# Altium PCB WhiteRHINO_0v1.PcbDoc (part 8 of 10)
Units mm, origin at the board's own origin, x right, y up, seen from the top; angles counter-clockwise.
Board outline 120.2 x 121.5 mm, 12 copper layers (L1_Top Layer, L2_GND, L3_Critical, L4_Critical, L5_GND, L6_Power, L7_Non-Critical, L8_Power, L9_Critical, L10_Critical, L11_GND, L12_Bottom Layer), stack 1.414 mm thick; 837 components, 556 nets, 3237 pads, 1790 vias.
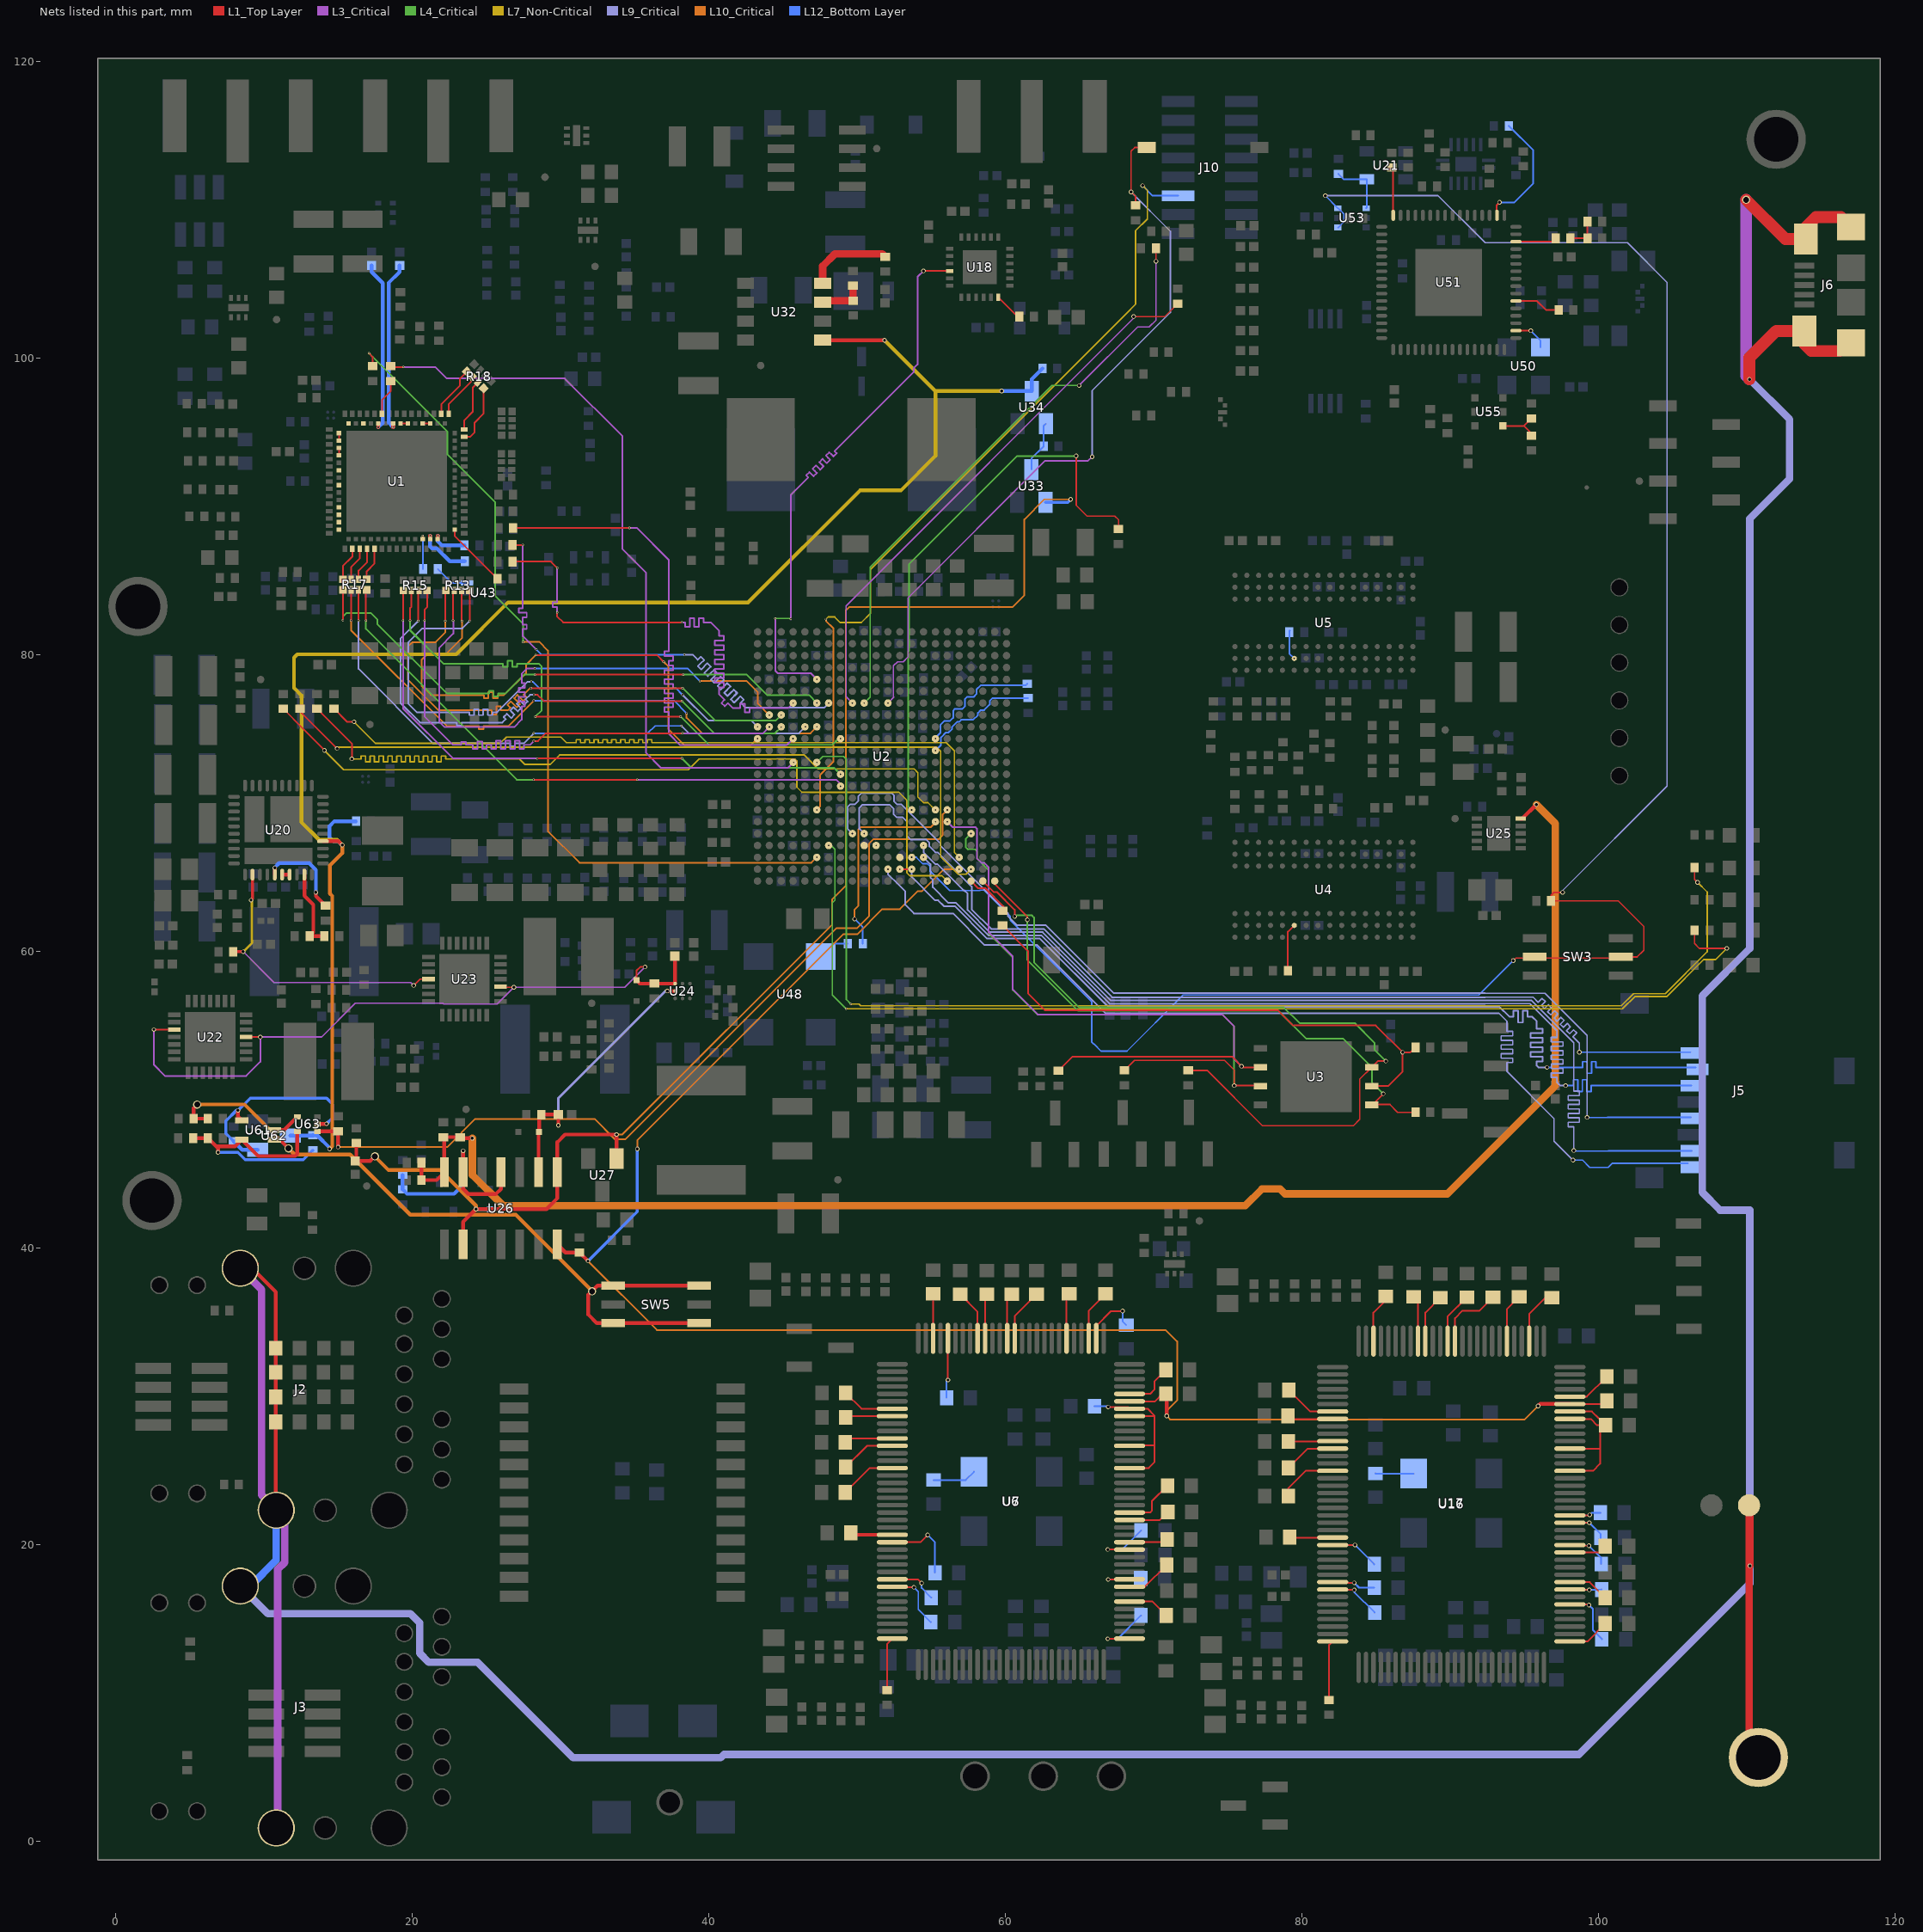
[diagram p18: the nets of this part, all layers, seen from the top]

## Via types
v1: diameter 0.15, hole 0.1, L1_Top Layer to L12_Bottom Layer, tented both sides, 705 vias
v2: diameter 0.3, hole 0.2, L1_Top Layer to L12_Bottom Layer, tented both sides, 589 vias
v3: diameter 0.3, hole 0.2, L1_Top Layer to L12_Bottom Layer, 145 vias
v4: diameter 0.55, hole 0.4, L1_Top Layer to L12_Bottom Layer, tented both sides, 89 vias
v5: diameter 0.15, hole 0.1, L1_Top Layer to L12_Bottom Layer, 73 vias
v6: diameter 0.4, hole 0.2, L1_Top Layer to L12_Bottom Layer, tented both sides, 61 vias
v7: diameter 0.66, hole 0.33, L1_Top Layer to L12_Bottom Layer, tented top, 41 vias
v8: diameter 0.3, hole 0.2, L1_Top Layer to L12_Bottom Layer, tented bottom, 27 vias
v9: diameter 0.55, hole 0.4, L1_Top Layer to L12_Bottom Layer, 20 vias
v10: diameter 0.5, hole 0.2, L1_Top Layer to L12_Bottom Layer, tented both sides, 16 vias
v11: diameter 0.5, hole 0.25, L1_Top Layer to L12_Bottom Layer, 13 vias
v12: diameter 0.4, hole 0.25, L1_Top Layer to L12_Bottom Layer, 9 vias
v13: diameter 0.5, hole 0.4, L1_Top Layer to L12_Bottom Layer, tented both sides, 1 vias
v14: diameter 0.55, hole 0.4, L1_Top Layer to L12_Bottom Layer, tented bottom, 1 vias

## Nets (pads, with @x,y where several pads share a name; then routed paths per layer and width w, separated by ;. In a path a pad name is that pad's centre, name@x,y a point inside that pad or via, vN(x,y) a via of type N, cw(c..) or ccw(c..) an arc to the next point about the centre after c; other vN are vias at no path point) (continued)
NetR17_1: R17.1 U1.5 | length 2.3
  L1_Top Layer w0.115: R17.1@16.95,85.05 16.95,85.594 17.481,86.125 U1.5@17.481,87.112
NetR17_2: R17.2 U1.4 | length 2.3
  L1_Top Layer w0.115: R17.2@16.4,85.05 16.4,85.65 16.981,86.231 U1.4@16.981,87.112
NetR17_3: R17.3 U1.3 | length 2.3
  L1_Top Layer w0.115: R17.3@15.9,85.05 15.9,85.875 16.481,86.456 U1.3@16.481,87.112
NetR17_4: R17.4 U1.2 | length 2.3
  L1_Top Layer w0.115: R17.4@15.35,85.05 15.35,85.95 15.981,86.581 U1.2@15.981,87.112
NetR18_5: R18.5 U1.32 | length 3.6
  L1_Top Layer w0.115: U1.32@21.981,96.212 21.981,96.856 23.25,98.125 23.25,98.606 R18.5@23.712,99.068
NetR18_6: R18.6 U1.31 | length 3.1
  L1_Top Layer w0.115: U1.31@22.481,96.212 22.481,96.856 24.101,98.476 R18.6@24.101,98.679
NetR18_7: R18.7 U1.30 | length 3.5
  L1_Top Layer w0.115: U1.30@23.531,95.162 23.531,95.781 24.1,96.35 24.1,97.972 R18.7@24.454,98.326
NetR18_8: R18.8 U1.29 | length 4
  L1_Top Layer w0.115: U1.29@23.531,94.662 23.912,94.662 24.225,94.975 24.225,95.625 24.843,96.243 R18.8@24.843,97.937
NetR26_2: R26.2 U1.40 | length 2.5
  L1_Top Layer w0.115: U1.40@17.981,96.212 17.981,97.156 18.575,97.75 R26.2@18.575,98.425
NetR29_1: R29.1 U2.T13 | length 40.3
  L1_Top Layer w0.1: v2(70.175,106.5) R29.1@70.175,107.375
  L3_Critical w0.1: v2(65,98.125) 68.95,102.075 69.725,102.075 70.175,102.525 v2(70.175,106.5)
  L4_Critical w0.1: v1(50.504,76.714) 50.9,77.11 50.9,85.868 63.157,98.125 v2(65,98.125)
NetR31_2: R31.2 U2.G9 | length 38.2
  L1_Top Layer w0.1: v2(64.8,93.375) 64.8,90.05 65.525,89.325 67.4,89.325 67.65,89.075 R31.2@67.65,88.45
  L4_Critical w0.115: v1(53.704,69.514) 53.467,69.751 53.467,80.163 53.54,80.236 53.54,86.09 60.825,93.375 v2(64.8,93.375)
NetR32_1: R32.1 U2.T14 | length 37.6
  L1_Top Layer w0.1: v2(68.675,102.775) 70.775,102.775 R32.1@71.65,103.65
  L3_Critical w0.1: v1(49.704,76.714) 49.275,77.143 49.275,83.27 68.675,102.67 v2(68.675,102.775)
NetR38_2: R38.2 U4.L8 | length 3.2
  L1_Top Layer w0.115: R38.2@79.075,58.675 79.075,61.296 U4.L8@79.504,61.725
NetR39_2: R39.2 U5.L8 | length 2
  L1_Top Layer w0.115: v1(79.5,79.725) U5.L8@79.504,79.725
  L12_Bottom Layer w0.115: R39.2@79.2,81.6 79.172,81.572 79.172,80.053 v1(79.5,79.725)
NetR69_2: R69.2 U6.24 U6.27 U6.31 U6.32 | length 12.7
  L1_Top Layer w0.115: v2(66.95,29.25) 68.285,29.25 U6.32@68.398,29.137 69.613,29.137 70.075,28.675 ; U6.24@68.398,25.137 69.687,25.137 70.075,25.525 70.075,26.675 ; U6.27@68.398,26.637 68.436,26.675 70.075,26.675 ; U6.31@68.398,28.637 70.037,28.637 70.075,28.675 ; 70.075,26.675 70.075,28.675
  L12_Bottom Layer w0.115: R69.2@66.025,29.3 66.9,29.3 v2(66.95,29.25)
NetR70_2: R70.2 U6.79 | length 3.9
  L1_Top Layer w0.115: R70.2@49.225,23.5 50.862,25.137 U6.79@52.398,25.137
NetR71_2: R71.2 U6.62 | length 3
  L1_Top Layer w0.115: U6.62@55.148,33.887 55.15,33.889 R71.2@55.15,36.875
NetR72_2: R72.2 U6.88 | length 2.9
  L1_Top Layer w0.115: R72.2@49.6,20.775 R72.2@49.738,20.637
  L1_Top Layer w0.254: R72.2@49.738,20.637 U6.88@52.398,20.637
NetR73_2: R73.2 U6.76 | length 3.7
  L1_Top Layer w0.115: R73.2@49.25,25.2 50.687,26.637 U6.76@52.398,26.637
NetR74_2: R74.2 U6.75 | length 3.3
  L1_Top Layer w0.115: R74.2@49.225,26.875 49.487,27.137 U6.75@52.398,27.137
NetR75_2: R75.2 U6.1 | length 4.4
  L1_Top Layer w0.115: v2(66.925,13.625) 66.937,13.637 U6.1@68.398,13.637
  L12_Bottom Layer w0.115: v2(66.925,13.625) 67.6,13.625 R75.2@69.175,15.2
NetR76_2: R76.2 U6.72 | length 3.2
  L1_Top Layer w0.115: R76.2@49.25,28.55 49.337,28.637 U6.72@52.398,28.637
NetR77_2: R77.2 U6.71 | length 3.6
  L1_Top Layer w0.115: R77.2@49.25,30.2 50.313,29.137 U6.71@52.398,29.137
NetR79_2: R79.2 U6.8 | length 3.1
  L1_Top Layer w0.115: U6.8@68.398,17.137 69.437,17.137 R79.2@70.9,18.6
NetR80_2: R80.2 U6.9 | length 3.7
  L1_Top Layer w0.115: v2(66.95,17.625) 66.962,17.637 U6.9@68.398,17.637
  L12_Bottom Layer w0.115: v2(66.95,17.625) 69.075,17.625 R80.2@69.15,17.7
NetR82_2: R82.2 U6.13 | length 4.3
  L1_Top Layer w0.115: v2(66.925,19.65) 68.385,19.65 U6.13@68.398,19.637
  L12_Bottom Layer w0.115: v2(66.925,19.65) 67.9,19.65 R82.2@69.175,20.925
NetR83_2: R83.2 U6.14 | length 2.6
  L1_Top Layer w0.115: U6.14@68.398,20.137 70.737,20.137 R83.2@70.925,20.325
NetR85_2: R85.2 U6.17 | length 2.8
  L1_Top Layer w0.115: U6.17@68.398,21.637 70.437,21.637 R85.2@70.975,22.175
NetR87_1: R87.1 U6.6 | length 2.9
  L1_Top Layer w0.115: U6.6@68.398,16.137 69.938,16.137 R87.1@70.875,15.2
NetR88_2: R88.2 U6.18 | length 3.7
  L1_Top Layer w0.115: U6.18@68.398,22.137 69.787,22.137 69.9,22.25 69.9,22.9 R88.2@70.95,23.95
NetR89_2: R89.2 U6.95 | length 4.3
  L1_Top Layer w0.115: U6.95@52.398,17.137 52.435,17.1 v2(53.85,17.1)
  L12_Bottom Layer w0.115: v2(53.85,17.1) 54.15,16.8 54.15,15.6 R89.2@55,14.75
NetR90_2: R90.2 U6.34 | length 3.4
  L1_Top Layer w0.115: U6.34@68.398,30.137 69.787,30.137 70.075,30.425 70.075,30.975 R90.2@70.85,31.75
NetR91_2: R91.2 U6.89 | length 5.3
  L1_Top Layer w0.115: U6.89@52.398,20.137 54.287,20.137 v2(54.775,20.625)
  L12_Bottom Layer w0.115: v2(54.775,20.625) 55.275,20.125 R91.2@55.275,18.075
NetR92_2: R92.2 U6.41 | length 3.5
  L1_Top Layer w0.115: U6.41@65.648,33.887 65.648,35.748 R92.2@66.775,36.875
NetR93_2: R93.2 U6.44 | length 3.1
  L1_Top Layer w0.115: U6.44@64.148,33.887 64.148,36.698 R93.2@64.325,36.875
NetR94_2: R94.2 U6.94 | length 3.3
  L1_Top Layer w0.115: U6.94@52.398,17.637 54.113,17.637 v2(54.375,17.375)
  L12_Bottom Layer w0.115: v2(54.375,17.375) 54.375,17.05 R94.2@55.025,16.4
NetR95_2: R95.2 U6.56 | length 3.4
  L1_Top Layer w0.115: R95.2@56.975,36.85 58.148,35.677 U6.56@58.148,33.887
NetR96_2: R96.2 U6.55 | length 3
  L1_Top Layer w0.115: U6.55@58.648,33.887 58.648,36.723 R96.2@58.775,36.85
NetR97_2: R97.2 U6.52 | length 3.1
  L1_Top Layer w0.115: U6.52@60.148,33.887 60.148,36.548 R97.2@60.45,36.85
NetR98_2: R98.2 U6.51 | length 3.6
  L1_Top Layer w0.115: U6.51@60.648,33.887 60.648,35.373 R98.2@62.125,36.85
NetR99_2: R99.2 U6.102 | length 3.6
  L1_Top Layer w0.115: R99.2@52.05,10.175 52.05,13.289 U6.102@52.398,13.637
NetR100_1: R100.1 U7.3 | length 3
  L12_Bottom Layer w0.115: R100.1@55.175,24.325 57.346,24.325 U7.3@57.908,24.887
NetR116_2: R116.2 U2.L17 | length 84.2
  L1_Top Layer w0.1: R116.2@106.5,65.625 106.5,64.825 v3(106.7,64.625)
  L4_Critical w0.1: v5(47.304,72.714) 47.715,73.125 49.1,73.125 49.3,72.925 49.3,56.725 v5(49.6,56.425)
  L7_Non-Critical w0.1: v5(49.6,56.425) 50.15,56.425 50.275,56.3 101.555,56.3 102.38,57.125 104.525,57.125 107.35,59.95 107.35,63.975 v3(106.7,64.625)
NetR117_2: R117.2 U2.D16 | length 76
  L1_Top Layer w0.1: R117.2@106.5,61.4 106.5,60.5 106.825,60.175 v3(108.675,60.175)
  L4_Critical w0.1: v5(48.104,67.114) 48.261,67.114 48.525,66.85 48.525,63.425 48.35,63.25 48.35,57.025 v5(49.275,56.1)
  L7_Non-Critical w0.1: v5(49.275,56.1) 101.638,56.1 102.463,56.925 104.608,56.925 107.108,59.425 107.925,59.425 v3(108.675,60.175)
NetR148_2: R148.2 U16.24 U16.27 U16.31 U16.32 | length 11.8
  L1_Top Layer w0.115: U16.24@98.093,24.949 99.649,24.949 100.125,25.425 100.125,26.45 ; U16.27@98.093,26.449 100.124,26.449 100.125,26.45 ; U16.31@98.093,28.449 99.5,28.449 99.924,28.025 R148.2@100.5,28.025 100.125,27.65 100.125,26.45 ; U16.32@98.093,28.949 99.576,28.949 R148.2@100.076,28.449
NetR149_2: R149.2 U16.79 | length 4
  L1_Top Layer w0.115: R149.2@79.1,23.25 79.1,23.776 80.273,24.949 U16.79@82.093,24.949
NetR150_2: R150.2 U16.62 | length 3.4
  L1_Top Layer w0.115: U16.62@84.843,33.699 84.843,35.618 85.675,36.45 R150.2@85.675,36.725
NetR151_2: R151.2 U16.88 | length 2.9
  L1_Top Layer w0.115: R151.2@79.2,20.475 79.226,20.449 U16.88@82.093,20.449
NetR152_2: R152.2 U16.76 | length 3.5
  L1_Top Layer w0.115: R152.2@79.1,25.15 80.399,26.449 U16.76@82.093,26.449
NetR153_2: R153.2 U16.75 | length 3
  L1_Top Layer w0.115: R153.2@79.1,26.925 82.069,26.925 U16.75@82.093,26.949
NetR154_2: R154.2 U16.1 | length 2.9
  L1_Top Layer w0.115: U16.1@98.093,13.449 99.274,13.449 R154.2@100.475,14.65
NetR155_2: R155.2 U16.72 | length 3.1
  L1_Top Layer w0.115: R155.2@79.075,28.65 79.276,28.449 U16.72@82.093,28.449
NetR156_2: R156.2 U16.71 | length 3.6
  L1_Top Layer w0.115: R156.2@79.125,30.4 80.576,28.949 U16.71@82.093,28.949
NetR158_2: R158.2 U16.8 | length 2.2
  L1_Top Layer w0.115: U16.8@98.093,16.949 98.117,16.925 v2(99.4,16.925)
  L12_Bottom Layer w0.115: v2(99.4,16.925) 100.2,16.925 R158.2@100.225,16.95
NetR159_2: R159.2 U16.9 | length 2.8
  L1_Top Layer w0.115: U16.9@98.093,17.449 99.426,17.449 R159.2@100.475,16.4
NetR161_2: R161.2 U16.13 | length 2.6
  L1_Top Layer w0.115: U16.13@98.093,19.449 100.049,19.449 R161.2@100.475,19.875
NetR162_1: R162.1 U16.6 | length 4
  L1_Top Layer w0.115: U16.6@98.093,15.949 99.326,15.949 v2(99.375,15.9)
  L12_Bottom Layer w0.115: v2(99.375,15.9) 99.643,15.633 99.643,14.208 R162.1@100.25,13.6
NetR163_2: R163.2 U16.14 | length 2.9
  L1_Top Layer w0.115: U16.14@98.093,19.949 98.142,19.9 v2(99.375,19.9)
  L12_Bottom Layer w0.115: v2(99.375,19.9) 100.2,19.075 R163.2@100.2,18.675
NetR165_2: R165.2 U16.17 | length 2.6
  L1_Top Layer w0.115: U16.17@98.093,21.449 99.399,21.449 v2(99.4,21.45)
  L12_Bottom Layer w0.115: v2(99.4,21.45) 100.175,20.675 R165.2@100.175,20.45
NetR167_2: R167.2 U16.18 | length 2.1
  L1_Top Layer w0.115: U16.18@98.093,21.949 99.399,21.949 v2(99.425,21.975)
  L12_Bottom Layer w0.115: v2(99.425,21.975) 99.575,22.125 R167.2@100.15,22.125
NetR168_2: R168.2 U16.95 | length 3.6
  L1_Top Layer w0.115: U16.95@82.093,16.949 82.117,16.925 v2(83.55,16.925)
  L12_Bottom Layer w0.115: v2(83.55,16.925) 83.55,16.775 R168.2@84.925,15.4
NetR169_2: R169.2 U16.34 | length 3
  L1_Top Layer w0.115: U16.34@98.093,29.949 99.224,29.949 R169.2@100.575,31.3
NetR170_2: R170.2 U16.89 | length 3.3
  L1_Top Layer w0.115: U16.89@82.093,19.949 82.094,19.95 v2(83.6,19.95)
  L12_Bottom Layer w0.115: v2(83.6,19.95) R170.2@84.9,18.65
NetR171_2: R171.2 U16.41 | length 3.8
  L1_Top Layer w0.115: U16.41@95.343,33.699 95.343,35.518 96.45,36.625 R171.2@96.875,36.625
NetR172_2: R172.2 U16.44 | length 3.3
  L1_Top Layer w0.115: U16.44@93.843,33.699 93.843,35.843 R172.2@94.675,36.675
NetR173_2: R173.2 U16.94 | length 3
  L1_Top Layer w0.115: U16.94@82.093,17.449 82.142,17.4 v2(83.55,17.4)
  L12_Bottom Layer w0.115: v2(83.55,17.4) 83.875,17.075 R173.2@84.9,17.075
NetR174_2: R174.2 U16.56 | length 3.1
  L1_Top Layer w0.115: R174.2@87.55,36.675 87.843,36.382 U16.56@87.843,33.699
NetR175_2: R175.2 U16.55 | length 3.3
  L1_Top Layer w0.115: U16.55@88.343,33.699 88.343,35.618 R175.2@89.35,36.625
NetR176_2: R176.2 U16.52 | length 3.5
  L1_Top Layer w0.115: U16.52@89.843,33.699 89.843,35.343 R176.2@91.15,36.65
NetR177_2: R177.2 U16.51 | length 4.7
  L1_Top Layer w0.115: U16.51@90.343,33.699 90.343,35.243 90.85,35.75 92,35.75 R177.2@92.9,36.65
NetR178_2: R178.2 U16.102 | length 4
  L1_Top Layer w0.115: R178.2@81.85,9.5 81.85,13.206 U16.102@82.093,13.449
NetR179_1: R179.1 U17.3 | length 2.6
  L12_Bottom Layer w0.115: R179.1@84.975,24.775 84.992,24.758 U17.3@87.555,24.758
NetR190_1: R190.1 U18.18 | length 1.9
  L1_Top Layer w0.115: U18.18@59.55,104.075 60.85,102.775 R190.1@60.95,102.775
NetR195_2: R195.2 R250.1 R314.1 U20.4 U32.5 U34.D U62.D | length 114.6
  L1_Top Layer w0.254: U20.4@14,67.4 15.05,67.4 v2(15.3,67.15) ; U32.5@47.7,101.195 47.72,101.175 v2(51.875,101.175)
  L10_Critical w0.254: v2(14.45,46.65) 14.627,46.827 14.627,63.713 14.473,63.867 14.473,65.765 15.3,66.592 v2(15.3,67.15)
  L7_Non-Critical w0.254: v2(15.3,67.15) 14.952,67.498 13.737,67.498 12.548,68.687 12.548,77.235 12.048,77.735 12.048,79.781 12.269,80.002 22.99,80.002 26.49,83.502 42.677,83.502 50.225,91.05 52.975,91.05 55.3,93.375 55.3,97.75 ; v2(51.875,101.175) 55.3,97.75 ; v2(59.775,97.75) 55.3,97.75
  L12_Bottom Layer w0.254: U62.D@11.8,47.55 R314.1@13.375,47.55 ; R314.1@13.325,47.575 13.6,47.575 14.45,46.725 v2(14.45,46.65) ; v2(15.3,67.15) 15.05,67.4 14.7,67.4 14.448,67.652 14.448,68.423 14.775,68.75 R195.2@16.225,68.75 ; v2(59.775,97.75) U34.D@61.8,97.75 61.8,98.55 R250.1@62.525,99.275
NetR198_1: R198.1 R200.2 U20.39 | length 5.5
  L1_Top Layer w0.254: U20.39@12.75,65.15 12.75,63.725 13.352,63.123 13.352,61.252 R200.2@13.1,61 R198.1@14.1,61
NetR201_2: R201.2 U20.35 | length 6.3
  L1_Top Layer w0.254: v2(10.748,65.598) 10.75,65.595 U20.35@10.75,65.15 ; v2(13.525,63.95) 13.525,63.7 R201.2@14.175,63.05
  L12_Bottom Layer w0.254: v2(10.748,65.598) 10.748,65.623 11.052,65.927 13.069,65.927 13.525,65.471 v2(13.525,63.95)
NetR227_1: R227.1 R228.2 U26.4 U26.6 | length 14.2
  L1_Top Layer w0.254: v2(23.45,46.525) 23.46,46.515 U26.6@23.46,45.075 23.46,43.965 23.825,43.6 25.65,43.6 26,43.95 U26.4@26,45.075
  L12_Bottom Layer w0.254: R227.1@19.375,44.9 R228.2@19.375,43.925 19.675,43.625 22.85,43.625 23.45,44.225 v2(23.45,46.525)
NetR246_1: R246.1 R247.2 U32.7 | length 3.1
  L1_Top Layer w0.5: U32.7@47.7,103.735 47.816,103.851 R247.2@49.761,103.851 49.75,103.862 R246.1@49.75,104.85
NetR248_2: R248.2 U32.8 | length 5.8
  L1_Top Layer w0.5: U32.8@47.7,105.005 47.7,106.175 48.525,107 51.713,107 R248.2@51.912,106.801
NetR249_1: R249.1 U33.D U34.G | length 3.5
  L12_Bottom Layer w0.115: U33.D@61.775,92.45 61.775,93.2 R249.1@62.6,94.025 62.6,95.4 U34.G@62.75,95.55
NetR260_2: R260.2 U1.72 | length 3.7
  L1_Top Layer w0.254: v1(21.225,88) 21.225,87.768 U1.72@21.231,87.762
  L12_Bottom Layer w0.254: v1(21.225,88) 21.225,87.275 21.35,87.15 21.675,87.15 22.55,86.275 R260.2@23.575,86.275
NetR261_2: R261.2 U1.73 | length 2.5
  L1_Top Layer w0.254: U1.73@21.731,87.762 21.75,87.781 v1(21.75,88)
  L12_Bottom Layer w0.254: v1(21.75,88) 21.75,87.625 22.025,87.35 R261.2@23.55,87.35
NetR266_2: R266.2 U43.3 | length 2.4
  L12_Bottom Layer w0.115: R266.2@21.75,85.75 22.7,84.8 U43.3@23.725,84.8
NetR270_1: R270.1 U2.N7 | length 8.8
  L12_Bottom Layer w0.115: v1(55.304,74.314) 55.304,74.379 55.65,74.725 55.65,75.25 55.9,75.5 56.275,75.5 56.5,75.725 56.5,76.2 56.625,76.325 57.125,76.325 57.3,76.5 57.3,77 57.425,77.125 57.875,77.125 58.075,77.325 58.075,77.625 58.375,77.925 61.4,77.925 R270.1@61.5,78.025
NetR271_2: R271.2 U2.M7 | length 8.3
  L12_Bottom Layer w0.115: v1(55.304,73.514) 55.675,73.885 55.675,74.4 56,74.725 56.185,74.725 56.437,74.976 56.437,75.117 56.766,75.447 56.907,75.447 57.042,75.582 57.842,75.582 58.171,75.911 58.171,76.052 58.366,76.247 58.597,76.247 58.971,76.622 58.971,76.852 59.17,77.05 R271.2@61.55,77.05
NetR272_1: R272.1 U2.A4 | length 3.2
  L1_Top Layer w0.115: U2.A4@57.704,64.714 58.186,64.232 58.682,64.232 59.9,63.014 R272.1@59.9,62.725
NetR280_1: R280.1 U48.3 | length 2.2
  L12_Bottom Layer w0.1: U48.3@47.575,59.615 48.46,60.5 R280.1@49.4,60.5
NetR285_1: R285.1 U51.18 | length 8.3
  L1_Top Layer w0.115: U51.18@93.175,109.6 93.15,109.625 93.15,110.275 v2(93.35,110.475)
  L12_Bottom Layer w0.115: v2(93.35,110.475) 94.35,110.475 95.625,111.75 95.625,113.975 R285.1@93.975,115.625
NetR289_2: R289.2 R290.1 R294.2 | length 2.3
  L1_Top Layer w0.115: R290.1@98.125,108.05 R294.2@99.275,108.05 R289.2@99.275,109.175
NetR290_2: R290.2 U51.14 | length 2.8
  L1_Top Layer w0.115: U51.14@94.45,107.825 96.9,107.825 R290.2@97.125,108.05
NetR291_1: R291.1 U51.32 | length 3.3
  L1_Top Layer w0.115: R291.1@86.075,112.825 86.175,112.725 U51.32@86.175,109.6
NetR295_2: R295.2 U51.6 | length 3.1
  L1_Top Layer w0.115: U51.6@94.45,103.825 95.875,103.825 96.475,103.225 R295.2@97.325,103.225
NetR304_1: R304.1 U21.4 U53.1 | length 4.1
  L12_Bottom Layer w0.115: R304.1@82.475,112.4 82.85,112.025 U21.4@84.4,112.025 84.4,110.125 U53.1@84.35,110.075
NetR306_1: R306.1 R309.1 U55.1 | length 3
  L1_Top Layer w0.115: U55.1@93.575,95.4 95,95.4 ; R309.1@95.5,95.9 95,95.4 ; R306.1@95.55,94.75 95.55,94.85 95,95.4
NetR310_1: R310.1 R312.2 SW5.4 U61.1 | length 51.9
  L1_Top Layer w0.254: v4(5.525,49.65) 5.275,49.4 R310.1@5.275,48.7 R312.2@6.25,48.7 ; U61.1@10.725,47.275 11.095,47.275 v4(11.673,46.697) ; SW5.4@39.375,34.905 SW5.4@33.575,34.905 32.47,34.905 31.898,35.477 31.898,36.823 32.52,37.445 SW5.4@33.575,37.445 SW5.4@39.375,37.445
  L3_Critical w0.254: v4(11.673,46.697) v4@11.695,46.675
  L10_Critical w0.254: v4(5.525,49.65) 5.775,49.65 5.777,49.652 8.717,49.652 v4(11.673,46.697) 12.097,46.273 15.837,46.273 19.887,42.223 27.002,42.223 32.15,37.075 v4(32.15,37.05)
NetR311_1: R311.1 R313.2 R314.2 U61.5 U63.5 | length 16.8
  L1_Top Layer w0.254: R311.1@5.25,47.375 R313.2@6.25,47.375 6.802,46.823 ; v2(6.925,46.425) 6.925,46.7 6.802,46.823 ; U63.5@12.275,47.825 12.275,46.325 12.125,46.175 9.625,46.175 U61.5@8.525,47.275 8.073,46.823 6.802,46.823
  L12_Bottom Layer w0.2: v2(6.925,46.425) 8.263,46.425 8.763,45.925 12.675,45.925 R314.2@13.325,46.575
NetR315_2: R315.2 U61.4 U62.G U63.2 | length 14.3
  L1_Top Layer w0.254: v2(8.275,49.25) 8.275,48.825 U61.4@8.525,48.575 ; U63.2@13.625,48.325 14.225,48.325 v2(14.25,48.35)
  L12_Bottom Layer w0.2: R315.2@7.975,47.175 7.45,47.7 7.45,48.533 8.167,49.25 v2(8.275,49.25) 9.1,50.075 14.25,50.075 14.65,49.675 14.65,48.75 v2(14.25,48.35)
  L12_Bottom Layer w0.254: R315.2@7.975,47.175 8.55,46.6 U62.G@9.6,46.6
NetR316_2: R316.2 U2.G6 U63.1 | length 57.8
  L1_Top Layer w0.254: U63.1@13.625,47.825 13.65,47.85 R316.2@15.025,47.85 v2(15.025,46.775)
  L10_Critical w0.115: v2(15.025,46.775) 22.375,46.775 24.275,48.675 32.015,48.675 32.023,48.667 32.277,48.667 32.285,48.675 32.315,48.675 33.673,47.318 34.408,47.318 48.615,61.525 50,61.525 50.837,62.362 50.837,67.262 51.125,67.55 55.55,67.55 55.8,67.8 55.8,69.21 v1(56.104,69.514)
NetU1_91: U1.91 U1.92 | length 0.5
  L1_Top Layer w0.115: U1.92@20.731,95.562 U1.91@21.231,95.562
NetU1_94: U1.94 U1.95 | length 0.5
  L1_Top Layer w0.115: U1.95@19.231,95.562 U1.94@19.731,95.562
NetU1_103: U1.103 U1.104 | length 0.5
  L1_Top Layer w0.115: U1.104@15.081,94.412 U1.103@15.081,94.912
NetU1_105: U1.105 U1.106 | length 0.5
  L1_Top Layer w0.115: U1.106@15.081,93.412 U1.105@15.081,93.912
NetU20_36: U20.36 U20.37 | length 0.5